# Altium PCB Pleiades_PP.PcbDoc (part 3 of 15) (continued)
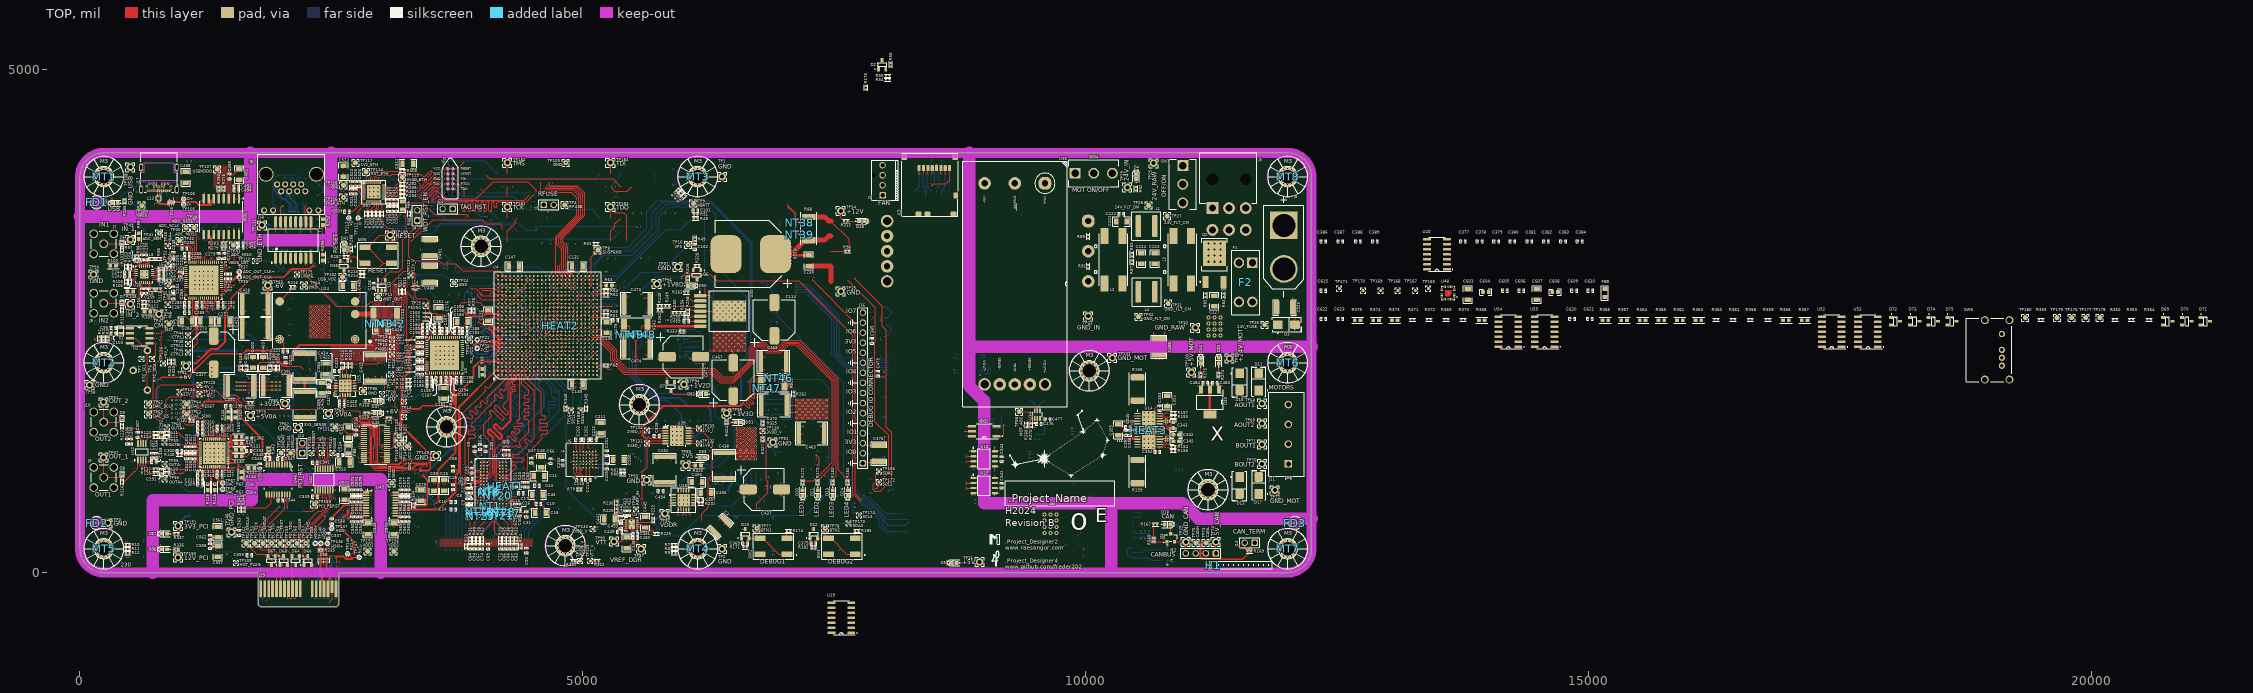
[diagram p0: TOP view]
## Footprints (in the part's own frame and the unit in brackets; to place one, negate y for a bottom-side part, rotate by r counter-clockwise, add the part's x,y. Pads: shape width x height; smd on the part's side, far side on the other; paste and mask are expansions set on the pad) (continued)
  silkscreen extent -13.75,-13.5 13.5,13.75, body extent -13.5,-13.53 13.5,13.47, height 2.24
HC49_SMD [mm]
  rect 5.5x2 smd: 1(-4.75,0) 2(4.75,0)
  silkscreen extent -6.7,-2.45 6.7,2.45, body extent -5.81,-2.35 5.8,2.35, height 4.2
HEADER-2_100MIL [mil]
  rrect33% 65x65 hole 44: 1(-50,0)
  round 65 hole 44: 2(50,0)
  silkscreen extent -100,-50 100,50, body extent -100,-47 100,47, height 330
HEADER-4_100MIL [mil]
  rrect33% 65x65 hole 44: 1(-150,0)
  round 65 hole 44: 2(-50,0) 3(50,0) 4(150,0)
  silkscreen extent -200,-50 200,50, body extent -200,-47 200,47, height 331
HEADER-16_100MIL [mil]
  rrect33% 65x65 hole 44: 1(-750,0)
  round 65 hole 44: 2(-650,0) 3(-550,0) 4(-450,0) 5(-350,0) 6(-250,0) 7(-150,0) 8(-50,0) 9(50,0) 10(150,0) 11(250,0) 12(350,0) 13(450,0) 14(550,0) 15(650,0) 16(750,0)
  silkscreen extent -800,-50 800,50, body extent -800,-47 800,47, height 331
IND_0402 [mil]
  rrect60% 20x20 smd paste+0 mask+1.97: 1(-17.5,0) 2(17.5,0)
  silkscreen extent -32,-16 32,16, body extent -19,-10 20,10, height 20
IND_0603 [mm]
  rrect37% 0.95x0.95 smd: 1(-0.725,0) 2(0.725,0)
  silkscreen extent -1.52,-0.76 1.52,0.76, body extent -0.87,-0.47 0.88,0.48, height 0.55
IND_0805 [mil]
  rrect25% 40x50 smd: 1(-40,0) 2(40,0)
  silkscreen extent -70,-35 70,35, body extent -39,-25 39,25, height 24
IND_PLT10HH101150PNL [mm]
  rect 2x4 smd paste-0.05 mask+0.07: 1(-2.25,6) 2(2.25,6) 3(2.25,-6) 4(-2.25,-6)
  silkscreen extent -4.81,-6.6 3.6,6.6, body extent -3.43,-6.6 3.37,6.5, height 9.3
IRE-Q12 [mil]
  rrect75% 125x125 hole 62: 1(-1000,300)
  round 125 hole 62: 2(-1000,0) 3(-1000,-300) 5(1000,-150) 6(1000,0) 7(1000,150)
  round 125 hole 84: 4(1000,-300) 8(1000,300)
  silkscreen extent -1220,-520 1220,520, body extent -1205,-505 1205,505, height 508
ISO_ADUM3160BRWZ-RL [mil]
  rect 90.51x22.01 smd paste-1.97 mask+2.76: 1(-178.25,175) 2(-178.25,125) 3(-178.25,75) 4(-178.25,25) 5(-178.25,-25) 6(-178.25,-75) 7(-178.25,-125) 8(-178.25,-175) 9(178.25,-175) 10(178.25,-125) 11(178.25,-75) 12(178.25,-25) 13(178.25,25) 14(178.25,75) 15(178.25,125) 16(178.25,175)
  silkscreen extent -185,-214 156,221, body extent -210,-206 209,206, height 104
ISO_ISO7741DBQR [mm]
  rrect20% 1.6x0.41 smd paste-0.025 mask+0.05: 1(-2.7,2.222) 2(-2.7,1.587) 3(-2.7,0.952) 4(-2.7,0.317) 5(-2.7,-0.318) 6(-2.7,-0.953) 7(-2.7,-1.588) 8(-2.7,-2.222) 9(2.7,-2.222) 10(2.7,-1.587) 11(2.7,-0.952) 12(2.7,-0.317) 13(2.7,0.318) 14(2.7,0.953) 15(2.7,1.588) 16(2.7,2.222)
  silkscreen extent -2.82,-2.62 1.6,3.1, body extent -3,-2.5 3,2.5, height 1.75
ISO_ISO7741FDBQR [mm]
  rrect20% 1.6x0.41 smd paste-0.025 mask+0.05: 1(-2.7,2.222) 2(-2.7,1.587) 3(-2.7,0.953) 4(-2.7,0.318) 5(-2.7,-0.318) 6(-2.7,-0.953) 7(-2.7,-1.587) 8(-2.7,-2.222) 9(2.7,-2.222) 10(2.7,-1.587) 11(2.7,-0.953) 12(2.7,-0.318) 13(2.7,0.318) 14(2.7,0.953) 15(2.7,1.587) 16(2.7,2.222)
  silkscreen extent -2.82,-2.62 1.6,3.1, body extent -3,-2.5 3,2.5, height 1.75
ISO_SI8620EB-B-IS [mm]
  oval 1.55x0.6 smd paste-0.025 mask+0.07: 1(-2.7,1.905) 2(-2.7,0.635) 3(-2.7,-0.635) 4(-2.7,-1.905) 5(2.7,-1.905) 6(2.7,-0.635) 7(2.7,0.635) 8(2.7,1.905)
  silkscreen extent -2.82,-2.5 1.6,2.88, body extent -3,-2.5 3,2.5, height 1.75
ISO_SI8640EB-B-IU [mm]
  oval 1.55x0.4 smd paste-0.025 mask+0.05: 1(-2.7,2.222) 2(-2.7,1.588) 3(-2.7,0.953) 4(-2.7,0.318) 5(-2.7,-0.317) 6(-2.7,-0.952) 7(-2.7,-1.587) 8(-2.7,-2.222) 9(2.7,-2.222) 10(2.7,-1.588) 11(2.7,-0.953) 12(2.7,-0.318) 13(2.7,0.317) 14(2.7,0.952) 15(2.7,1.587) 16(2.7,2.222)
  silkscreen extent -2.82,-2.45 1.55,3.1, body extent -3,-2.45 3,2.45, height 1.75
LAYERS_12 [mil] "Copper marking indicating layer ordering"
  Multi-Layer pour cut-out: -30,30 580,30 580,-30 -30,-30
  silkscreen extent -35,-35 585,35
LED_0603 [mil]
  rect 38x38 smd: 1(-28.54,0)
  rrect37% 38x38 smd: 2(28.54,0)
  silkscreen extent -65,-30 65,30, body extent -31,-16 31,16, height 23
MICROSD_5025700893 [mm]
  rrect10% 0.8x1.5 smd: 1(-2.7,4.2)
  rrect25% 0.8x1.5 smd: 2(-1.6,4.2) 3(-0.5,4.2) 4(0.6,4.2) 5(1.7,4.2) 6(2.8,4.2) 7(3.9,4.2) 8(5,4.2)
  rrect25% 1.15x1.5 smd: DL(6.575,-2.65)
  rrect25% 1.5x1.15 smd: DS(-0.6,-7.375) SM3(-2.9,-7.375) SM4(6,-7.375)
  rrect25% 1.4x1.7 smd: SM1(-6.45,7.1) SM2(6.45,7.1)
  silkscreen extent -7.1,-8 7.11,8, body extent -6.86,-7.62 6.94,7.88, height 1.81
MOD_JTAG_410-357-B [mm]
  rect 2.3x2.8 smd paste-0.025 mask+0.07: 1(-8,-10.1) 2(-4,-10.1) 3(0,-10.1) 4(4,-10.1) 5(8,-10.1) 10(8,10.1) 11(4,10.1) 12(0,10.1) 13(-4,10.1) 14(-8,10.1)
  rect 2.8x2.3 smd paste-0.025 mask+0.07: 6(10.725,-6) 7(10.725,-2) 8(10.725,2) 9(10.725,6) 15(-10.725,6) 16(-10.725,2) 17(-10.725,-2) 18(-10.725,-6)
  silkscreen extent -11.57,-10.94 11.57,10.94, body extent -11.38,-10.75 11.38,10.75, height 2.5
MTH_M3 [mil]
  round 200 hole 135: 1(0,0)
  TOP keep-out region: 0,-200 -76.54,-184.78 -141.42,-141.42 -184.78,-76.54 -200,0 -200,0 -184.78,76.54 -141.42,141.42 -76.54,184.78 0,200 0,200 76.54,184.78 141.42,141.42 184.78,76.54 200,0 200,0 184.78,-76.54 141.42,-141.42 76.54,-184.78 0,-200
  BOT keep-out region: 0,-200 -76.54,-184.78 -141.42,-141.42 -184.78,-76.54 -200,0 -200,0 -184.78,76.54 -141.42,141.42 -76.54,184.78 0,200 0,200 76.54,184.78 141.42,141.42 184.78,76.54 200,0 200,0 184.78,-76.54 141.42,-141.42 76.54,-184.78 0,-200
  silkscreen extent -200,-200 200,200
NETTIE_5 [mil]
  rect 10x5 smd paste-999 mask+0: 1(-4.5,0) 2(4.5,0)
NETTIE_9 [mil]
  rect 18x9 smd paste-99999 mask+4: 1(-8.75,0) 2(8.75,0)
OPAMP_AD8056ARMZ [mm] "SOP, 8-Leads, Body 3x3mm, Pitch 0.65mm, IPC Medium Density"
  oval 1.8x0.4 smd mask+0.07: 1(-2.075,0.975) 2(-2.075,0.325) 3(-2.075,-0.325) 4(-2.075,-0.975) 5(2.075,-0.975) 6(2.075,-0.325) 7(2.075,0.325) 8(2.075,0.975)
  silkscreen extent -2.2,-1.6 0.77,1.87, body extent -2.12,-1.53 2.07,1.52, height 1.3
OPAMP_ADA4927-2YCPZ-R2 [mm] "QFN, 24-Leads, Body 4,00x4,00mm, Pitch 0,50mm, Thermal Pad 2,10x2,10mm, IPC Low Density"
  oval 0.8x0.2 smd mask+0.075: 1(-2.05,1.25) 2(-2.05,0.75) 3(-2.05,0.25) 4(-2.05,-0.25) 5(-2.05,-0.75) 6(-2.05,-1.25) 13(2.05,-1.25) 14(2.05,-0.75) 15(2.05,-0.25) 16(2.05,0.25) 17(2.05,0.75) 18(2.05,1.25)
  oval 0.2x0.8 smd mask+0.075: 7(-1.25,-2.05) 8(-0.75,-2.05) 9(-0.25,-2.05) 10(0.25,-2.05) 11(0.75,-2.05) 12(1.25,-2.05) 19(1.25,2.05) 20(0.75,2.05) 21(0.25,2.05) 22(-0.25,2.05) 23(-0.75,2.05) 24(-1.25,2.05)
  rect 2.1x2.1 smd mask+0.075: PAD(0,0)
  silkscreen extent -2.92,-2.15 2.15,2.15, body extent -2,-2 2,2, height 1
OSC_590BD-BDG [mm]
  rect 1.95x1.55 smd paste-0.025 mask+0.07: 1(-2.1,2.54) 2(-2.1,0) 3(-2.1,-2.54) 4(2.1,-2.54) 5(2.1,0) 6(2.1,2.54)
  silkscreen extent -3.68,-3.81 2.54,3.81, body extent -2.54,-3.56 2.54,3.56, height 1.3
PCIe_x1 [mm] "https://tools.molex.com/pdm_docs/sd/877159006_sd.pdf"
  rrect10% 0.7x3.2 smd far side: A1(0,0.5)
  rrect25% 0.7x4.2 smd far side: A2(1,0) A3(2,0) A4(3,0) A5(4,0) A6(5,0) A7(6,0) A8(7,0) A9(8,0) A10(9,0) A11(10,0) A12(13,0) A13(14,0) A14(15,0) A15(16,0) A16(17,0) A17(18,0) A18(19,0)
  rrect10% 0.7x4.2 smd: B1(0,0)
  rrect25% 0.7x4.2 smd: B2(1,0) B3(2,0) B4(3,0) B5(4,0) B6(5,0) B7(6,0) B8(7,0) B9(8,0) B10(9,0) B11(10,0) B12(13,0) B13(14,0) B14(15,0) B15(16,0) B16(17,0) B18(19,0)
  rrect25% 0.7x3.2 smd: B17(18,0.5)
  round 0.381 on Top Overlay: ""(0,2.54)
  round 0.381 on Bottom Overlay: ""(0,2.54)
POW_MOTOR_DRV8811PWPR [mm] "TSOP, 28-Leads, Body 9,70x4,40mm, Pitch 0,65mm, Thermal Pad 9,70x3,40mm, IPC Medium Density"
  oval 1.6x0.3 smd: 1(-2.8,4.225) 2(-2.8,3.575) 3(-2.8,2.925) 4(-2.8,2.275) 5(-2.8,1.625) 6(-2.8,0.975) 7(-2.8,0.325) 8(-2.8,-0.325) 9(-2.8,-0.975) 10(-2.8,-1.625) 11(-2.8,-2.275) 12(-2.8,-2.925) 13(-2.8,-3.575) 14(-2.8,-4.225) 15(2.8,-4.225) 16(2.8,-3.575) 17(2.8,-2.925) 18(2.8,-2.275) 19(2.8,-1.625) 20(2.8,-0.975) 21(2.8,-0.325) 22(2.8,0.325) 23(2.8,0.975) 24(2.8,1.625) 25(2.8,2.275) 26(2.8,2.925) 27(2.8,3.575) 28(2.8,4.225)
  rect 3.4x9.7 smd paste-15 mask-15: PAD(0,0)
  silkscreen extent -2.92,4.8 -2.67,5.05, body extent -3.2,-4.9 3.2,4.9, height 1.2
QFN-24_3X3 [mm] "QFN-32 (3x3)"
  rrect15% 0.635x0.203 smd: 1(-1.545,1)
  rrect25% 0.635x0.203 smd: 2(-1.545,0.6) 3(-1.545,0.2) 4(-1.545,-0.2) 5(-1.545,-0.6) 6(-1.545,-1) 13(1.545,-1) 14(1.545,-0.6) 15(1.545,-0.2) 16(1.545,0.2) 17(1.545,0.6) 18(1.545,1)
  rrect25% 0.203x0.635 smd: 7(-1,-1.545) 8(-0.6,-1.545) 9(-0.2,-1.545) 10(0.2,-1.545) 11(0.6,-1.545) 12(1,-1.545) 19(1,1.545) 20(0.6,1.545) 21(0.2,1.545) 22(-0.2,1.545) 23(-0.6,1.545) 24(-1,1.545)
  round 0.025 smd: 25(0,0)
  TOP region: 0.762,-0.762 -0.762,-0.762 -0.762,0.305 -0.305,0.762 0.762,0.762
  silkscreen extent -2.34,-1.65 1.65,1.65, body extent -1.5,-1.5 1.5,1.5, height 1.06
REG_LDO_TPS7A3301RGWR [mm]
  rrect50% 0.35x1 smd paste-0.025 mask+0.07: 1(-1.3,-2.4) 2(-0.65,-2.4) 3(0,-2.4) 4(0.65,-2.4) 5(1.3,-2.4) 11(1.3,2.4) 12(0.65,2.4) 13(0,2.4) 14(-0.65,2.4) 15(-1.3,2.4)
  rrect50% 0.95x0.3 smd paste-0.025 mask+0.07: 6(2.4,-1.3) 7(2.4,-0.65) 8(2.4,0) 9(2.4,0.65) 10(2.4,1.3) 16(-2.4,1.3) 17(-2.4,0.65) 18(-2.4,0) 19(-2.4,-0.65) 20(-2.4,-1.3)
  rect 3.15x3.15 smd paste-3.15 mask+0: 21(0,0)
  silkscreen extent -2.7,-3.14 2.7,2.7, body extent -2.51,-2.51 2.51,2.51, height 0.88
REG_PMIC_TPS51200DRCT [mm]
  rrect41% 0.6x0.24 smd mask+0.07: 1(-1.4,1) 2(-1.4,0.5) 3(-1.4,0) 4(-1.4,-0.5) 5(-1.4,-1) 6(1.4,-1) 7(1.4,-0.5) 8(1.4,0) 9(1.4,0.5) 10(1.4,1)
  rrect5% 1.65x2.4 smd paste-5 mask+0.07: 11(0,0)
  TOP region: -0.325,-1.7 -0.335,-1.7 -0.353,-1.692 -0.367,-1.678 -0.375,-1.66 -0.375,-1.65 -0.375,-1.65 -0.375,1.65 -0.375,1.66 -0.367,1.678 -0.353,1.692 -0.335,1.7 -0.325,1.7 -0.325,1.7 -0.175,1.7 -0.165,1.7 -0.147,1.692 -0.133,1.678 -0.125,1.66 -0.125,1.65 -0.125,1.65 -0.125,-1.65 -0.125,-1.66 -0.133,-1.678 -0.147,-1.692 -0.165,-1.7 -0.175,-1.7 -0.175,-1.7
  TOP region: 0.175,-1.7 0.165,-1.7 0.147,-1.692 0.133,-1.678 0.125,-1.66 0.125,-1.65 0.125,-1.65 0.125,1.65 0.125,1.66 0.133,1.678 0.147,1.692 0.165,1.7 0.175,1.7 0.175,1.7 0.325,1.7 0.335,1.7 0.353,1.692 0.367,1.678 0.375,1.66 0.375,1.65 0.375,1.65 0.375,-1.65 0.375,-1.66 0.367,-1.678 0.353,-1.692 0.335,-1.7 0.325,-1.7 0.325,-1.7
  silkscreen extent -2.05,-1.7 1.7,1.7, body extent -1.55,-1.55 1.55,1.55, height 1
REG_SWR_LMZ23605TZE/NOPB [mm]
  rrect50% 0.89x3.06 smd paste+0 mask+0.07: 1(-3.81,-7.305) 2(-2.54,-7.305) 3(-1.27,-7.305) 4(0,-7.305) 5(1.27,-7.305) 6(2.54,-7.305) 7(3.81,-7.305)
  rect 5.35x8.54 smd paste-10 mask+0.07: 8(0,0)
  silkscreen extent -5.08,-7.53 5.08,5.08, body extent -5.11,-8.82 5.05,4.95, height 4.57
REG_SWR_PTN04050AAZT [mil]
  round 85 smd paste-2 mask+0: 1(-355,187) 2(-355,-63) 3(-355,-188) 5(395,187)
  round 85 smd paste-0.98 mask+0: 4(395,-188)
  silkscreen extent -513,-279 465,279, body extent -455,-268 455,268, height 335
REG_TPS7A4701RGWR [mm]
  rrect50% 1x0.35 smd paste-0.025 mask+0.07: 1(-2.4,1.3) 2(-2.4,0.65) 3(-2.4,0) 4(-2.4,-0.65) 5(-2.4,-1.3) 11(2.4,-1.3) 12(2.4,-0.65) 13(2.4,0) 14(2.4,0.65) 15(2.4,1.3)
  rrect50% 0.35x1 smd paste-0.025 mask+0.07: 6(-1.3,-2.4) 7(-0.65,-2.4) 8(0,-2.4) 9(0.65,-2.4) 10(1.3,-2.4) 16(1.3,2.4) 17(0.65,2.4) 18(0,2.4) 19(-0.65,2.4) 20(-1.3,2.4)
  rrect10% 3.15x3.15 smd paste-1.575 mask+0: E1(0,0)
  silkscreen extent -3.59,-3.1 3.1,3.1, body extent -2.62,-2.62 2.63,2.63, height 1
RES_0402 [mil] "0402 Generic Resistor"
  rrect60% 20x20 smd paste+0 mask+1.97: 1(-17.5,0) 2(17.5,0)
  silkscreen extent -32,-16 32,16, body extent -19,-10 20,10, height 20
RES_0603 [mm]
  rrect37% 0.95x0.95 smd: 1(-0.725,0) 2(0.725,0)
  silkscreen extent -1.52,-0.76 1.52,0.76, body extent -0.87,-0.47 0.88,0.48, height 0.55
RES_2512 [mil]
  rrect33% 62x136 smd: 1(-116,0) 2(116,0)
  silkscreen extent -160,-81 160,80, body extent -124,-62 124,62, height 24
"SC-70-6 (SOT-363)" [mil]
  rrect10% 47x15.5 smd: 1(-37.8,25.59)
  rrect33% 47x15.5 smd: 2(-37.8,0) 3(-37.8,-25.59) 4(37.8,-25.59) 5(37.8,0) 6(37.8,25.59)
  silkscreen extent -87,-46 25,46, body extent -41,-39 41,39, height 44
SEN_TEMP_TC74A0-3.3VCTTR [mm]
  rect 1.05x0.6 smd paste-0.05 mask+0.07: 1(-1.3,0.95) 2(-1.3,0) 3(-1.3,-0.95) 4(1.3,-0.95) 5(1.3,0.95)
  silkscreen extent -2.47,-1.5 0.48,1.5, body extent -1.6,-1.57 1.6,1.53, height 1.45
SOIC-5_4.4MM [mil]
  rect 80x25 smd: 1(-122.5,50)
  rrect25% 80x25 smd: 2(-122.5,-50) 3(122.5,-50) 4(122.5,0) 5(122.5,50)
  silkscreen extent -184,-75 80,75, body extent -141,-71 141,71, height 102
SOIC-8_3.8mm [mil]
  rect 80x25 smd: 1(-97.5,75)
  rrect25% 80x25 smd: 2(-97.5,25) 3(-97.5,-25) 4(-97.5,-75) 5(97.5,-75) 6(97.5,-25) 7(97.5,25) 8(97.5,75)
  silkscreen extent -158,-100 80,100, body extent -118,-96 118,96, height 69
SOIC-14_3.8MM [mil]
  rect 78x24 smd: 1(-98,150)
  rrect25% 78x24 smd: 2(-98,100) 3(-98,50) 4(-98,0) 5(-98,-50) 6(-98,-100) 7(-98,-150) 8(98,-150) 9(98,-100) 10(98,-50) 11(98,0) 12(98,50) 13(98,100) 14(98,150)
  silkscreen extent -159,-170 80,170, body extent -118,-170 118,170, height 69
SOIC-20_7.5mm [mil]
  rect 80x25 smd: 1(-215,225)
  rrect25% 80x25 smd: 2(-215,175) 3(-214.5,125) 4(-214.5,75) 5(-214.5,25) 6(-214.5,-25) 7(-214.5,-75) 8(-214.5,-125) 9(-214.5,-175) 10(-214.5,-225) 11(215,-225) 12(215,-175) 13(215,-125) 14(215,-75) 15(215,-25) 16(215,25) 17(215,75) 18(215,125) 19(215,175) 20(215,225)
  silkscreen extent -275,-265 156,265, body extent -209,-256 209,256, height 104
SOT23-3 [mil]
  rect 28x40 smd: 1(-37,-46) 2(37,-46) 3(0,46)
  silkscreen extent -74,-45 46,18, body extent -57,-47 57,47, height 40
SOT23-5 [mil] "SOT143-4 as used in SP0503BAHTG"
  rect 24x40 smd: 1(-37,-51) 2(0,-51) 3(37,-51) 4(37,51) 5(-37,51)
  silkscreen extent -64,-53 46,18, body extent -56,-46 58,46, height 39
SOT223-4 [mil]
  rrect10% 40x82 smd: 1(-90.55,-125)
  rrect25% 40x82 smd: 2(0,-125) 3(90.55,-125)
  rrect10% 130x81 smd: 4(0,125)
  silkscreen extent -130,-182 130,70, body extent -128,-138 128,138, height 66
STANDOFF_MTS-20 [mil]
  body extent -125,-109 125,109, height 792
SWI_TACT_B3SN-3012P [mm]
  rect 2.75x1.4 smd paste-0.025 mask+0.07: 1(-3.375,2) 2(3.375,2) 3(-3.375,-2) 4(3.375,-2)
  silkscreen extent -5.9,-3.3 5.1,3.3, body extent -3.05,-3.05 3.05,3.05, height 3.2
TC2050-NL [mm] "Target for Tag Copnnect TC2050-xxx-NL"
  round 0.8 smd paste-2539.97: 1(-2.54,-0.635) 2(-1.27,-0.635) 3(0,-0.635) 4(1.27,-0.635) 5(2.54,-0.635) 6(2.54,0.635) 7(1.27,0.635) 8(0,0.635) 9(-1.27,0.635) 10(-2.54,0.635)
  round 1 hole 1 paste-2539.97 mask-25.375: A(-3.81,0) B(3.81,-1.016) C(3.81,1.016)
  Keep-Out Layer region: -2.54,-0.635 2.54,-0.635 2.54,0.635 -2.54,0.635
  silkscreen extent -5.15,-2.03 5.08,2.03
TFBGA-48_0.8MM_8X9 [mil]
  round 14 smd: A1(-78.74,110.24) A2(-47.24,110.24) A3(-15.75,110.24) A4(15.75,110.24) A5(47.24,110.24) A6(78.74,110.24) B1(-78.74,78.74) B2(-47.24,78.74) B3(-15.75,78.74) B4(15.75,78.74) B5(47.24,78.74) B6(78.74,78.74) C1(-78.74,47.24) C2(-47.24,47.24) C3(-15.75,47.24) C4(15.75,47.24) C5(47.24,47.24) C6(78.74,47.24) D1(-78.74,15.75) D2(-47.24,15.75) D3(-15.75,15.75) D4(15.75,15.75) D5(47.24,15.75) D6(78.74,15.75) E1(-78.74,-15.75) E2(-47.24,-15.75) E3(-15.75,-15.75) E4(15.75,-15.75) E5(47.24,-15.75) E6(78.74,-15.75) F1(-78.74,-47.24) F2(-47.24,-47.24) F3(-15.75,-47.24) F4(15.75,-47.24) F5(47.24,-47.24) F6(78.74,-47.24) G1(-78.74,-78.74) G2(-47.24,-78.74) G3(-15.75,-78.74) G4(15.75,-78.74) G5(47.24,-78.74) G6(78.74,-78.74) H1(-78.74,-110.24) H2(-47.24,-110.24) H3(-15.75,-110.24) H4(15.75,-110.24) H5(47.24,-110.24) H6(78.74,-110.24)
  silkscreen extent -164,-184 164,184, body extent -159,-179 159,179, height 47
TIM_CDCE62005RGZT [mm] "QFN, 64-Leads, Body 9,00x9,00mm, Pitch 0,50mm, Thermal Pad 7,40x7,40mm, IPC Medium Density"
  oval 0.8x0.23 smd mask+0.07: 1(-4.475,3.75) 2(-4.475,3.25) 3(-4.475,2.75) 4(-4.475,2.25) 5(-4.475,1.75) 6(-4.475,1.25) 7(-4.475,0.75) 8(-4.475,0.25) 9(-4.475,-0.25) 10(-4.475,-0.75) 11(-4.475,-1.25) 12(-4.475,-1.75) 13(-4.475,-2.25) 14(-4.475,-2.75) 15(-4.475,-3.25) 16(-4.475,-3.75) 33(4.475,-3.75) 34(4.475,-3.25) 35(4.475,-2.75) 36(4.475,-2.25) 37(4.475,-1.75) 38(4.475,-1.25) 39(4.475,-0.75) 40(4.475,-0.25) 41(4.475,0.25) 42(4.475,0.75) 43(4.475,1.25) 44(4.475,1.75) 45(4.475,2.25) 46(4.475,2.75) 47(4.475,3.25) 48(4.475,3.75)
  oval 0.23x0.8 smd mask+0.07: 17(-3.75,-4.475) 18(-3.25,-4.475) 19(-2.75,-4.475) 20(-2.25,-4.475) 21(-1.75,-4.475) 22(-1.25,-4.475) 23(-0.75,-4.475) 24(-0.25,-4.475) 25(0.25,-4.475) 26(0.75,-4.475) 27(1.25,-4.475) 28(1.75,-4.475) 29(2.25,-4.475) 30(2.75,-4.475) 31(3.25,-4.475) 32(3.75,-4.475) 49(3.75,4.475) 50(3.25,4.475) 51(2.75,4.475) 52(2.25,4.475) 53(1.75,4.475) 54(1.25,4.475) 55(0.75,4.475) 56(0.25,4.475) 57(-0.25,4.475) 58(-0.75,4.475) 59(-1.25,4.475) 60(-1.75,4.475) 61(-2.25,4.475) 62(-2.75,4.475) 63(-3.25,4.475) 64(-3.75,4.475)
  rect 7.4x7.4 smd mask+0.07: PAD(0,0)
  silkscreen extent -5.5,-4.72 4.72,4.72, body extent -4.57,-4.57 4.57,4.57, height 1
TP_HOLE [mil]
  round 75 hole 40: 1(0,0)
  silkscreen extent -45,-45 45,45
TP_PAD#1 [mil]
  round 50 smd paste-999: 1(0,0)
  silkscreen extent -35,-35 35,35
TP_PAD#2 [mil]
  round 50 smd paste-99999: 1(0,0)
  silkscreen extent -35,-35 35,35
TP_PAD_SMALL#1 [mil]
  round 30 smd paste-99999: 1(0,0)
  silkscreen extent -25,-25 25,25
TP_PAD_SMALL#2 [mil]
  round 30 smd paste-999: 1(0,0)
  silkscreen extent -25,-25 25,25
TP_PAD_TINY [mil]
  round 20 smd paste-999: 1(0,0)
  silkscreen extent -24,-24 24,24
TRANSFO_H1102NLT [mil]
  oval 115x30 smd: 1(-180,175) 2(-180,125) 3(-180,75) 4(-180,25) 5(-180,-25) 6(-180,-75) 7(-180,-125) 8(-180,-175) 9(180,-175) 10(180,-125) 11(180,-75) 12(180,-25) 13(180,25) 14(180,75) 15(180,125) 16(180,175)
  silkscreen extent -230,-248 110,248, body extent -175,-252 175,252, height 215
TRX_NMOS_SI2310-TP [mm]
  rrect20% 0.9x0.8 smd paste-0.025 mask+0.07: 1(-1,0.95) 2(-1,-0.95) 3(1,0)
  silkscreen extent -1.24,-1.65 0.84,1.79, body extent -1.32,-1.52 1.32,1.52, height 1.22
TSSOP-14_4.4MM [mil]
  rrect15% 60x16 smd: 1(-114.17,76.77)
  rrect45% 60x16 smd: 2(-114.17,51.18) 3(-114.17,25.59) 4(-114.17,0) 5(-114.17,-25.59) 6(-114.17,-51.18) 7(-114.17,-76.77) 8(114.17,-76.77) 9(114.17,-51.18) 10(114.17,-25.59) 11(114.17,0) 12(114.17,25.59) 13(114.17,51.18) 14(114.17,76.77)
  round 20 hole 10: 15(-44.31,-86.61) 15(-44.31,-43.31) 15(-44.31,0) 15(-44.31,43.31) 15(-44.31,86.61) 15(-1,-86.61) 15(-1,-43.31) 15(-1,43.31) 15(-1,86.61) 15(0,0) 15(42.31,-86.61) 15(42.31,-43.31) 15(42.31,0) 15(42.31,43.31) 15(42.31,86.61)
  rrect5% 135x200 smd: 15(0,0)
  silkscreen extent -138,-102 90,108, body extent -126,-98 126,98, height 44
TSSOP-20_5.3MM [mil]
  rrect15% 60x16 smd: 1(-147.64,115.16)
  rrect45% 60x16 smd: 2(-147.64,89.57) 3(-147.64,63.98) 4(-147.64,38.39) 5(-147.64,12.8) 6(-147.64,-12.8) 7(-147.64,-38.39) 8(-147.64,-63.98) 9(-147.64,-89.57) 10(-147.64,-115.16) 11(147.64,-115.16) 12(147.64,-89.57) 13(147.64,-63.98) 14(147.64,-38.39) 15(147.64,-12.8) 16(147.64,12.8) 17(147.64,38.39) 18(147.64,63.98) 19(147.64,89.57) 20(147.64,115.16)
  silkscreen extent -155,-141 90,146, body extent -161,-147 161,147, height 79
TSSOP-38_4.4MM [mil]
  rrect10% 60x11 smd: 1(-114.17,177.17)
  rrect33% 60x11 smd: 2(-114.17,157.48) 3(-114.17,137.8) 4(-114.17,118.11) 5(-114.17,98.43) 6(-114.17,78.74) 7(-114.17,59.06) 8(-114.17,39.37) 9(-114.17,19.69) 10(-114.17,0) 11(-114.17,-19.68) 12(-114.17,-39.37) 13(-114.17,-59.06) 14(-114.17,-78.74) 15(-114.17,-98.43) 16(-114.17,-118.11) 17(-114.17,-137.8) 18(-114.17,-157.48) 19(-114.17,-177.17) 20(114.17,-177.17) 21(114.17,-157.48) 22(114.17,-137.8) 23(114.17,-118.11) 24(114.17,-98.43) 25(114.17,-78.74) 26(114.17,-59.06) 27(114.17,-39.37) 28(114.17,-19.68) 29(114.17,0) 30(114.17,19.69) 31(114.17,39.37) 32(114.17,59.06) 33(114.17,78.74) 34(114.17,98.43) 35(114.17,118.11) 36(114.17,137.8) 37(114.17,157.48) 38(114.17,177.17)
  silkscreen extent -162,-195 112,193, body extent -126,-191 126,191, height 44
TVS_DATA_TPD1E1B04DPYR [mm]
  rrect25% 0.4x0.7 smd paste-0.025 mask+0.05: 1(-0.35,0) 2(0.35,0)
  silkscreen extent -0.75,-0.53 0.75,0.53, body extent -0.5,-0.3 0.5,0.3, height 0.45
TVS_DATA_TPD4E05U06 [mm]
  rect 0.55x0.3 smd paste+0 mask+0.05: 1(-0.385,1) 2(-0.385,0.5) 4(-0.385,-0.5) 5(-0.385,-1) 6(0.385,-1) 7(0.385,-0.5) 9(0.385,0.5) 10(0.385,1)
  rect 0.55x0.4 smd paste+0 mask+0.05: 3(-0.385,0) 8(0.385,0)
  silkscreen extent -0.89,-1.45 0.55,1.45, body extent -0.55,-1.3 0.55,1.3, height 0.55
TVS_PWR_SMBJ5.0CA [mm]
  rrect50% 2.16x2.26 smd paste-0.025 mask+0.07: 1(-2.45,0) 2(2.45,0)
  silkscreen extent -2.5,-2.1 2.5,2.1, body extent -2.6,-1.97 2.6,1.97, height 2.61
TVS_USB_TPD2E001DRLR [mm]
  rrect50% 0.45x0.3 smd paste-0.025 mask+0.05: 1(-0.675,0.5) 2(-0.675,0) 3(-0.675,-0.5) 4(0.675,-0.5) 5(0.675,0.5)
  silkscreen extent -0.73,-0.85 0.25,1.01, body extent -0.8,-0.8 0.8,0.8, height 0.49
UJ31-CH-G2-SMT-TR [mil]
  rect 13.78x27.56 smd: A1(-108,179) A2(-88.31,179) A3(-68.63,179) A4(-48.94,179) A5(-29.26,179) A6(-9.57,179) A7(10.11,179) A8(29.8,179) A9(49.48,179) A10(69.17,179) A11(88.85,179) A12(108.54,179)
  round 26 hole 16: B1(120.35,135.3) B2(94.76,107.74) B3(63.26,107.74) B4(47.51,135.3) B5(31.76,107.74) B6(16.02,135.3) B7(-15.48,135.3) B8(-31.23,107.74) B9(-46.98,135.3) B10(-62.72,107.74) B11(-94.22,107.74) B12(-119.81,135.3)
  oval 40x80 hole 20 slot 45 at 90 deg: SH1(-176.9,166.8) SH2(177.43,166.8) SH3(-176.9,-53.68) SH4(177.43,-53.68)
  round 26 hole 26 unplated: ""(-146.39,107.74) ""(146.92,107.74)
  round 7.5 on Mech13: ""(-108,179)
  round 20 on Top Overlay: ""(-108,219)
  Keep-Out Layer region: 181.37,-4.46 147.91,-4.46 147.91,-98.95 -147.37,-98.95 -147.37,-4.46 -180.83,-4.46 -180.83,78.21 181.37,78.21
  Keep-Out Layer region: 181.37,-4.46 147.91,-4.46 147.91,-98.95 -147.37,-98.95 -147.37,-4.46 -180.83,-4.46 -180.83,78.21 181.37,78.21
  silkscreen extent -190,-197 190,196, body extent -191,-197 191,196, height 176
XT90 [mil]
  rect 275x275 hole 230: 1(-216.54,0)
  round 275 hole 230: 2(216.54,0)
  round 15 on Top Overlay: ""(329,0)
  silkscreen extent -500,-200 500,200, body extent -412,-197 412,197, height 819

## Part data
BT1: library part BATTERY, "Battery Holder", Mfr=MPD, ComponentLink1Description=Digikey, ComponentLink1URL=https://www.digikey.com/en/products/detail/mpd-memory-protection-devices/BK-5058/2194769
C1 C2 C3 C4 C218 C225 C226 C486 C501 C504 C507 C508 C543 C545 C548 C571 C602: library part CAP_CER, "C1812C102KHRACAUTO / 0402 470pF 10% X7R Ceramic Capacitor", Mfr=KEMET, Operating Temperature="-55C - 125C", Ratings=AEC-Q200, Supplier Part Number 1=80-C1812C102KHRAUTO, Temperature Coefficient=X7R, Tolerance=10%, Voltage - Rated=3kV, ComponentLink1Description=Digikey, ComponentLink1URL=https://www.digikey.com/en/products/detail/kemet/C1812C102KHRACAUTO/8109956, ComponentLink2Description=Datasheet, ComponentLink2URL=https://connect.kemet.com:7667/gateway/IntelliData-ComponentDocumentation/1.0/download/datasheet/C1812C102KHRACAUTO, ComponentLink3Description=KEMET, ComponentLink3URL=https://www.kemet.com/en/us/capacitors/ceramic/product/C1812C102KHRACAUTO.html, ComponentLink4Description=Octopart, ComponentLink4URL=https://octopart.com/c1812c102khracauto-kemet-67309371?r=sp, Features="Low ESL, High Voltage", Part#=C1812C102KHRACAUTO, Supplier 1=Mouser
C5 C10 C12 C17 C19 C24 C26 C31 C33 C38 C39 C44 C47 C52 C53 C58 C61 C66 C101 C102 C110 C111 C112 C113 C119 C120 C121 C122 C123 C124 C127 C128 C129 C132 C133 C134 C136 C137 C140 C141 C142 C145 C146 C148 C285 C286 C393 C397 C398 C420 C429 C454 C458 C459 C460 C499 C500: library part CAP_CER, "CGA3E3X7R1H474K080AB / 0603 470nF 10% X7R Ceramic Capacitor", Mfr=TDK, Operating Temperature="-55C - 125C", Ratings=AEC-Q200, Temperature Coefficient=X7R, Tolerance=10%, Voltage - Rated=50V, ComponentLink1Description=Digikey, ComponentLink2Description=Datasheet, Part#=CGA3E3X7R1H474K080AB
  C5 C10 C12 C17 C19 C24 C26 C31 C33 C38 C39 C44 C47 C52 C53 C58 C61 C66 C101 C102 C110 C111 C112 C113 C119 C120 C121 C122 C123 C124 C127 C128 C129 C132 C133 C134 C136 C137 C140 C141 C142 C145 C146 C148 C285 C286 C393 C397 C398 C420 C429 C454 C458 C459 C460 C500: ComponentLink1URL="[Digikey Link]", ComponentLink2URL="[Datasheet Link]"
  C499: ComponentLink1URL=https://www.digikey.ca/en/products/detail/murata-electronics/GCM21BR71H474KA55L/1641662, ComponentLink2URL=https://search.murata.co.jp/Ceramy/image/img/A01X/G101/ENG/GCM21BR71H474KA55-01A.pdf, ComponentLink3Description=Octopart, ComponentLink3URL=https://octopart.com/gcm21br71h474ka55l-murata-7894857, ComponentLink4Description=Murata, ComponentLink4URL=https://www.murata.com/en-us/products/productdetail?partno=GCM21BR71H474KA55%23
C6 C7 C8 C9 C13 C14 C15 C16 C20 C21 C22 C23 C27 C28 C29 C30 C34 C35 C36 C37 C40 C41 C42 C43 C48 C49 C50 C51 C54 C55 C56 C57 C62 C63 C64 C65 C67 C68 C69 C70 C71 C72 C73 C74 C75 C76 C77 C78 C79 C80 C81 C82 C83 C84 C85 C86 C87 C88 C89 C90 C91 C92 C93 C94 C95 C96 C97 C98 C243 C244 C250 C251 C259 C260 C266 C267 C306 C311 C312 C313 C314 C337 C401 C404 C412 C413 C442 C457 C513 C517 C521 C525 C573 C578 C595 C600: library part CAP_CER, "GCM155R71H473KE02J / 0402 47nF 10% X7R Ceramic Capacitor", Mfr=Murata, Operating Temperature="-55C - 125C", Ratings=AEC-Q200, Temperature Coefficient=X7R, Tolerance=10%, Voltage - Rated=50V, ComponentLink1Description=Digikey, ComponentLink1URL="[Digikey Link]", ComponentLink2Description=Datasheet, ComponentLink2URL="[Datasheet Link]", Part#=GCM155R71H473KE02J
C11 C18 C25 C32 C45 C46 C59 C60 C152 C160 C162 C180 C183 C200 C211 C271 C272 C273 C283 C284 C308 C323 C355 C400 C403 C406 C416 C435 C444 C445 C456 C466 C492 C495 C498 C533 C535 C549 C570 C572 C579 C580 C593 C594 C601 C603 C607: library part CAP_CER, "GCJ31CR71H105KA12L / 1206 1uF 10% X7R Ceramic Capacitor", Mfr=Murata, Operating Temperature="-55C - 125C", Ratings=AEC-Q200, Temperature Coefficient=X7R, Tolerance=10%, Voltage - Rated=50V, ComponentLink1Description=Digikey, ComponentLink2Description=Datasheet, Part#=GCJ31CR71H105KA12L
  C11 C18 C25 C32 C45 C46 C59 C60 C152 C160 C162 C180 C183 C200 C211 C271 C272 C273 C283 C284 C308 C323 C355 C400 C403 C406 C416 C435 C444 C445 C456 C466 C495 C498 C533 C535 C549 C570 C572 C579 C580 C593 C594 C601 C603 C607: ComponentLink1URL="[Digikey Link]", ComponentLink2URL="[Datasheet Link]"
  C492: ComponentLink1URL=https://www.digikey.ca/en/products/detail/murata-electronics/GCJ31CR71H105KA12L/10690321, ComponentLink2URL=https://search.murata.co.jp/Ceramy/image/img/A01X/G101/ENG/GCJ31CR71H105KA12-02B.pdf, ComponentLink3Description=Octopart, ComponentLink3URL=https://octopart.com/gcj31cr71h105ka12l-murata-57352446?r=sp, ComponentLink4Description=Murata, ComponentLink4URL=https://www.murata.com/en-us/products/productdetail?partno=GCJ31CR71H105KA12%23
C99 C103: library part CAP_CER, "0402 7pF C0G Ceramic Capacitor / GCM1555C1H7R0BA16D", Mfr=Murata, Operating Temperature="-55C - 125C", Temperature Coefficient=C0G, Voltage - Rated=50V, ComponentLink1Description=Digikey, ComponentLink1URL=https://www.digikey.ca/en/products/detail/murata-electronics/GCM1555C1H7R0BA16D/11618476, ComponentLink2Description=Datasheet, ComponentLink2URL=https://search.murata.co.jp/Ceramy/image/img/A01X/G101/ENG/GCM1555C1H7R0BA16-01.pdf
C100 C106 C149 C153 C155 C163 C164 C181 C184 C185 C201 C202 C203 C204 C205 C212 C213 C214 C222 C232 C233 C234 C235 C236 C241 C242 C248 C249 C257 C258 C264 C265 C300 C305 C309 C310 C324 C336 C339 C340 C341 C344 C346 C353 C354 C356 C357 C358 C369 C371 C372 C375 C385 C386 C387 C388 C389 C411 C421 C423 C424 C427 C428 C430 C432 C440 C449 C464 C471 C475 C476 C477 C478 C479 C483 C484 C485 C490 C493 C494 C496 C497 C503 C505 C506 C512 C516 C519 C520 C524 C527 C528 C531 C532 C534 C536 C537 C538 C539 C540 C541 C542 C544 C546 C547 C550 C551 C558 C559 C562 C563 C568 C569 C581 C582 C591 C592 C605 C606 C609 C610 C611 C612 C613 C614 C615 C616 C617 C618 C619 C620 C621 C622 C623: library part CAP_CER, "GCM155R71H104KE02J / 0402 100nF 10% X7R Ceramic Capacitor", Mfr=Murata, Operating Temperature="-55C - 125C", Ratings=AEC-Q200, Temperature Coefficient=X7R, Tolerance=10%, Voltage - Rated=50V, ComponentLink1Description=Digikey, ComponentLink1URL="[Digikey Link]", ComponentLink2Description=Datasheet, ComponentLink2URL="[Datasheet Link]", Part#=GCM155R71H104KE02J
C104 C368 C374 C376 C488 C491 C502: library part CAP_CER, "GA343DR7GD472KW01L / 0402 4.7nF 10% X7R 1812 250VAC Ceramic Capacitor", Mfr=Murata, Operating Temperature="-55C - 125C", Ratings="Y3 - Safety", Temperature Coefficient=X7R, Tolerance=10%, Voltage - Rated=250V, ComponentLink1Description=Digikey, ComponentLink1URL=https://www.digikey.ca/en/products/detail/murata-electronics/GA343DR7GD472KW01L/789292, ComponentLink2Description=Datasheet, ComponentLink2URL=https://search.murata.co.jp/Ceramy/image/img/A01X/G101/ENG/GA343DR7GD472KW01-01.pdf, ComponentLink3Description=Octopart, ComponentLink3URL=https://octopart.com/ga343dr7gd472kw01l-murata-197048?r=sp, Part#=GA343DR7GD472KW01L
  C104 C368 C374 C376 C502: ComponentLink4Description=Murata, ComponentLink4URL=https://www.murata.com/en-us/products/productdetail?partno=GA343DR7GD472KW01%23